# KiCad board Latest-Full-Backplane.kicad_pcb (continued)
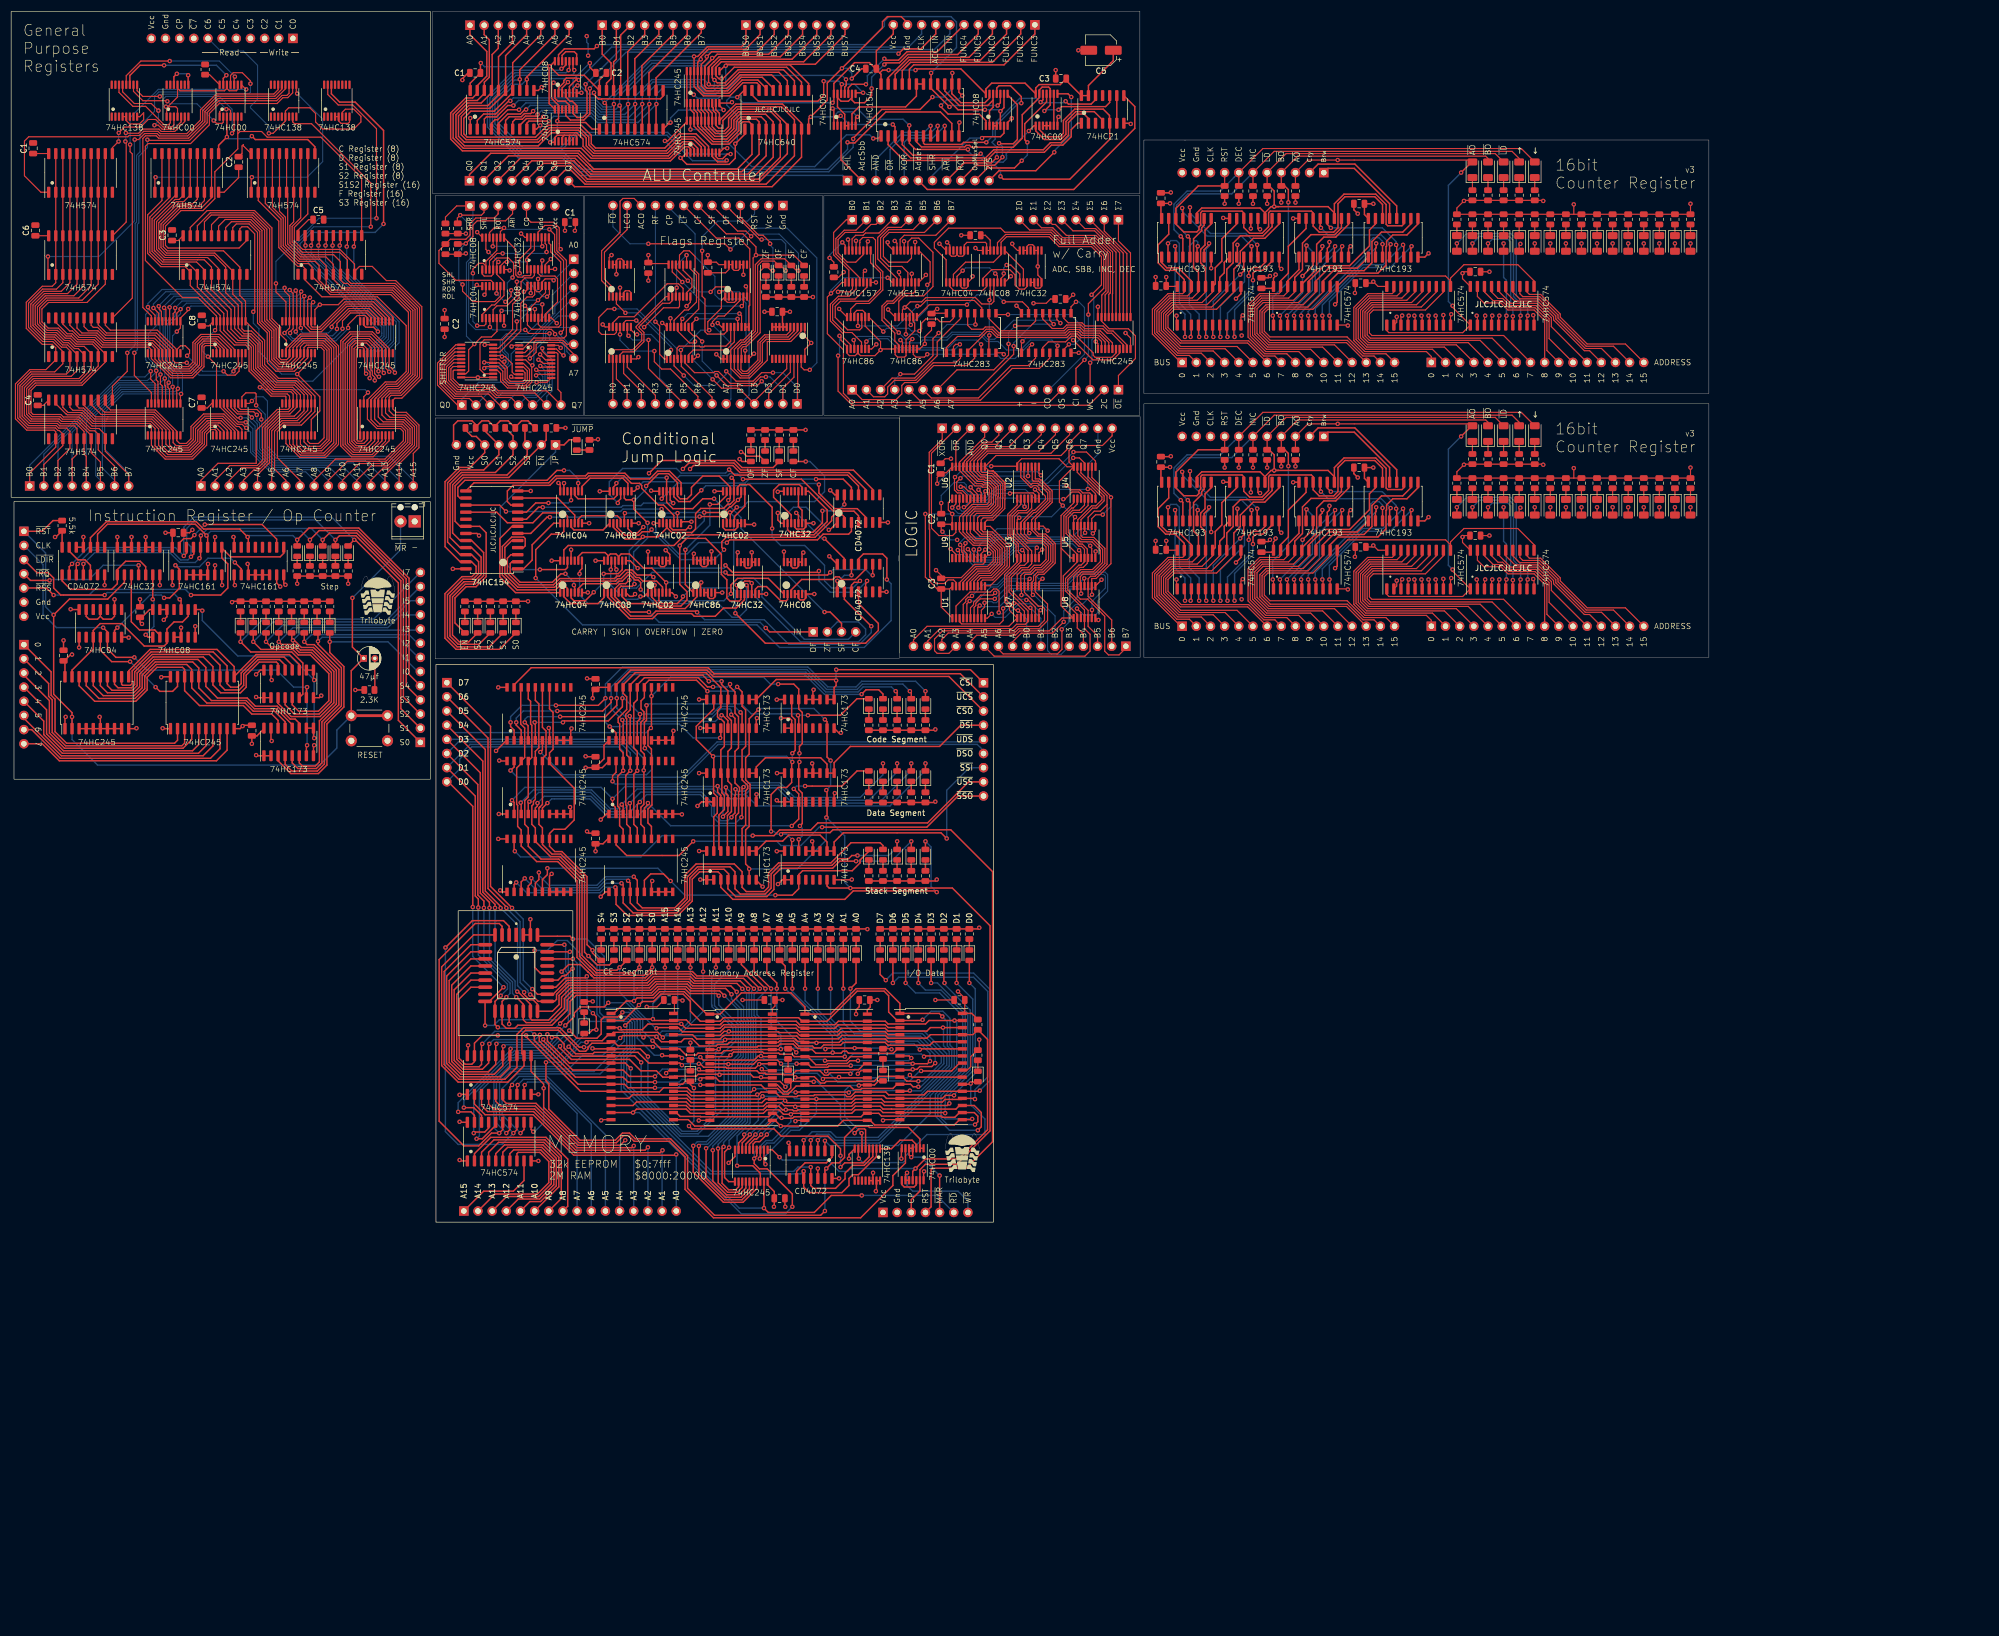
[diagram p0: board, top side]
## Routing (per net, layer and track width the routed paths; a pad name or vN(x,y) marks a point on that pad's centre or on a via; arc(x,y) is an arc through that point) (continued)
  Bottom w0.2: v1(52.02,166.87) 52.02,166.76 51.31,166.04 29.21,166.04 27.43,164.26 v1(27.43,163.96) 27.43,161.63 27.25,161.46 27.25,153.1 27.56,152.79 v1(27.56,151.3) 26.37,150.11 19.4,150.11 10.94,141.64 J1#4.4 ; v1(51.97,160.34) 52.07,160.24 52.07,159.69 52.32,159.44 56.9,159.44 57.5,160.04 v1(57.5,160.52) ; v1(122.68,157.91) 122.28,157.51 122.28,154.67 v1(125.83,151.13)
  Bottom w0.25: v1(129.21,40.86) 129.21,39.97 130.93,38.25 130.93,36.22 131.32,35.83 131.32,29.66 130.3,28.64 130.3,18.72 124.83,13.25 v1(124.65,13.25) ; J2#8.5 110.03,86.58 113.47,83.14 v1(113.47,81.01) ; v1(92.37,199.51) 93.11,200.25 104.62,200.25 105.79,199.08 109.26,199.08 v1(110.66,200.48) 110.66,202.77 115.24,207.34 124.34,207.34 v1(125.75,208.74) ; v1(130.23,95.98) 129.46,95.21 v1(124.89,95.21) ; v1(90.6,40.35) 89.94,41.01 89.94,43.05 85.8,47.19 v1(85.8,56.35)
BUS4: length 680.2
  Top w0.2: 28.42,161.55 v1(28.42,164.04) ; U16.14 66.51,162.27 64.55,164.22 60.21,164.22 55.64,159.65 53.63,159.65 52.54,160.75 52.54,166 v1(52.58,166.04) ; U1#11.15 215.52,166.8 213.62,164.9 208.17,164.9 206.32,163.04 206.32,159.91 209.61,156.62 217.76,156.62 J2#7.5 ; v1(28.26,150.55) 28.12,150.41 28.12,149.66 28.41,149.37 28.41,146.8 ; J1#4.5 13.48,137.32 13.08,137.72 U7#7.6 13.08,141.78 11.68,143.18 8.87,143.18 8.42,143.63 3.45,143.63 2.37,144.71 2.37,149.64 4,151.27 12.15,151.27 13.08,152.2 U6#2.6 ; 13.08,155.61 12.05,156.64 11.34,156.64 10.29,157.7 9.38,157.7 7.97,159.11 6.14,159.11 4.32,160.94 4.32,164.29 6.14,166.11 11.25,166.11 13.08,167.94 U5#2.6 U4#2.15 ; J2#2.5 217.76,109.31 209.61,109.31 206.32,112.61 206.32,115.74 208.17,117.59 213.62,117.59 215.52,119.49 U1#4.15
  Top w0.25: v1(141.41,84.07) 141.41,85.31 141.91,85.81 141.91,91.4 141.27,92.04 141.27,95.59 140.39,96.48 v1(137.59,96.48) ; v1(125.85,12.89) 125.86,12.88 125.86,7.37 128.33,4.9 130.6,4.9 131.79,6.1 U8#6.14 ; U21#2.14 141.27,68.63 ; J2#8.4 84.61,82.67 84.61,59.17 86.8,56.98 v1(86.8,56.35) ; v1(141.48,71.04) 141.91,71.47 141.91,76.92 141.27,77.56 141.27,82.38 v1(141.4,82.51) ; U3#8.15 219.84,178.99 217.17,176.33 217.17,172.32 215.99,171.14 215.99,168.26 U1#11.15 ; J1#2.5 5.84,89.84 5.84,87.43 9.19,84.08 33.61,84.08 34.92,85.4 U7#9.6 ; v1(90.78,41.33) 90.89,41.33 93.14,39.08 U11.19 93.14,36.54 93.45,36.23 96.39,36.23 98.73,38.57 98.73,40.35 100.39,42.01 112.29,42.01 114.49,42.01 115.62,43.14 121.47,43.14 122.25,42.36 129.09,42.36 v1(130.15,41.3) ; v1(111.93,200.48) 111.93,196.07 U4#5.6 ; 141.97,214.64 141.97,212.96 137.98,208.98 127,208.98 126.05,208.02 126.02,208.02 125.1,207.1 U5#10.14 125.1,204.08 v1(125.14,204.04) 125.36,203.82 128.23,203.82 130.59,206.19 137.73,206.19 139.24,204.68 U6.14 ; U3#4.15 219.84,131.69 217.17,129.02 217.17,125.02 215.99,123.84 215.99,120.95 U1#4.15 ; U19.14 114.86,88.71 v1(114.75,88.61) 114.23,88.09 114.23,85.46 114.86,84.83 U15#2.14 114.95,82.6 114.95,74.8 114.22,74.08 114.22,71.59 114.86,70.96 U23.14 ; v1(93.64,199.22) 93.2,198.78 92.07,198.78 91.5,198.22 89.35,198.22 88.69,197.56 U2#9.6
  Bottom w0.2: J1#4.5 13.48,143.62 19.57,149.71 27.42,149.71 v1(28.26,150.55) 28.26,152.66 27.65,153.26 27.65,161.29 28.42,162.07 v1(28.42,164.04) 28.42,164.24 29.76,165.57 52.11,165.57 v1(52.58,166.04)
  Bottom w0.25: v1(93.64,199.22) 94.21,199.8 104.43,199.8 105.61,198.63 110.08,198.63 v1(111.93,200.48) 111.93,201.88 114.93,204.88 124.3,204.88 v1(125.14,204.04) ; v1(130.15,41.3) 130.15,39.86 131.38,38.64 131.38,36.4 131.77,36.01 131.77,29.47 130.75,28.45 130.75,18.53 125.85,13.64 v1(125.85,12.89) ; v1(114.86,94.32) 118.27,97.73 134.94,97.73 136.19,96.48 v1(137.59,96.48) ; v1(90.78,41.33) 90.39,41.73 90.39,43.24 86.8,46.83 v1(86.8,56.35) ; v1(141.4,82.51) 141.4,84.07 v1(141.41,84.07) ; v1(114.75,88.61) 113.93,87.79 79.48,87.79 J2#8.4 ; v1(141.48,71.04) 141.91,70.62 141.91,69.27 v1(141.28,68.64)
BUS5: length 548.4
  Top w0.2: U16.13 67.16,162.19 64.72,164.62 60.05,164.62 55.52,160.1 53.85,160.1 53.19,160.76 53.19,165.38 v1(53.59,165.79) ; v1(29.42,163.93) 29.42,163.26 29.06,162.9 U8#2.13 ; U6#2.7 14.35,152.9 12.32,150.87 4.16,150.87 2.77,149.48 2.77,144.87 3.62,144.03 8.59,144.03 9.04,143.58 11.85,143.58 14.35,141.08 ; J1#4.6 16.02,136.31 14.35,137.97 U7#7.7 ; U4#2.14 U5#2.7 14.35,167.94 12.12,165.71 6.31,165.71 4.72,164.12 4.72,161.1 6.31,159.51 8.14,159.51 9.55,158.1 10.45,158.1 11.51,157.04 13.09,157.04 14.35,155.78 ; J2#7.6 219.9,157.02 209.78,157.02 206.72,160.08 206.72,162.88 208.34,164.5 214.49,164.5 216.79,166.8 U1#11.14 ; v1(28.97,149.79) 29.02,149.74 29.02,146.84 ; J2#2.6 219.9,109.71 209.78,109.71 206.72,112.77 206.72,115.57 208.34,117.19 214.49,117.19 216.79,119.49 U1#4.14
  Top w0.25: U7#9.7 36.2,85.39 34.43,83.63 9.01,83.63 2.29,90.35 J1#2.6 ; 144.5,214.64 144.5,212.96 140.07,208.53 127.19,208.53 125.75,207.09 U5#10.13 125.75,205.21 v1(126.16,204.8) 126.67,204.29 128.06,204.29 130.41,206.64 138.55,206.64 140.51,204.68 U6.13 ; U1#11.14 216.79,169.4 217.61,170.22 217.61,172.09 218.57,173.05 ; U8#6.13 131.14,6.21 130.28,5.35 128.52,5.35 126.84,7.03 126.84,13.17 v1(126.8,13.2) ; v1(87.8,56.34) 87.8,56.62 85.06,59.36 85.06,84.76 J2#8.3 ; v1(94.43,198.61) 94.15,198.34 92.26,198.34 91.69,197.77 90.42,197.77 89.96,197.31 U2#9.7 ; U1#4.14 216.79,122.1 217.61,122.92 217.61,124.79 218.57,125.75 ; U4#5.7 113.2,196.07 v1(113.2,200.48) ; v1(131.16,41.83) 130.18,42.81 122.43,42.81 121.66,43.59 115.43,43.59 114.31,42.46 100.08,42.46 98.28,40.66 98.28,39.01 97.09,37.82 U11.20 94.41,39.08 93.63,39.86 92.99,39.86 92.02,40.83 v1(92.02,41.22)
  Bottom w0.2: v1(53.59,165.79) 52.98,165.17 30.65,165.17 v1(29.42,163.93) 29.42,162.49 28.05,161.13 28.05,153.43 28.96,152.52 28.96,149.8 v1(28.97,149.79) 28.49,149.31 19.74,149.31 15.17,144.74 15.17,133.87 16.02,133.02 J1#4.6
  Bottom w0.25: v1(131.16,41.83) 131.93,41.07 131.93,36.49 132.22,36.2 132.22,29.29 131.2,28.27 131.2,18.35 126.8,13.95 v1(126.8,13.2) ; v1(94.43,198.61) 95.17,199.35 104.25,199.35 105.42,198.18 110.9,198.18 v1(113.2,200.48) 113.2,202.52 115.12,204.43 123.48,204.43 124.63,203.28 125.65,203.28 126.16,203.79 v1(126.16,204.8) ; v1(92.02,41.22) 90.84,42.41 90.84,53.3 v1(87.8,56.34)
BUS6: length 582
  Top w0.2: U7#7.8 15.62,138.48 18.56,135.55 J1#4.7 ; 67.81,161.54 67.81,162.24 65.02,165.02 59.88,165.02 55.36,160.5 54.01,160.5 53.84,160.67 53.84,164.63 v1(54.17,164.96) ; U1#4.13 218.06,119.49 215.36,116.79 208.51,116.79 207.12,115.41 207.12,112.94 209.73,110.33 221.81,110.33 225.29,106.86 J2#2.7 ; J2#7.7 225.29,154.16 221.81,157.63 209.73,157.63 207.12,160.24 207.12,162.71 208.51,164.1 215.36,164.1 218.06,166.8 U1#11.13 ; v1(29.91,149.46) 29.71,149.25 U10#5.12 ; U4#2.13 U5#2.8 15.62,168.2 12.73,165.31 6.47,165.31 5.12,163.96 5.12,161.27 6.47,159.91 8.3,159.91 9.72,158.5 10.62,158.5 11.68,157.44 14.57,157.44 15.62,156.38 U6#2.8 15.62,153.52 12.57,150.47 4.33,150.47 3.17,149.31 3.17,145.04 3.78,144.43 8.76,144.43 9.2,143.98 12.01,143.98 14.08,141.91 14.99,141.91 15.62,141.28 ; U8#2.12 29.71,162.98 30.39,163.67 v1(30.39,163.72)
  Top w0.25: U6.12 141.78,204.42 139.11,207.09 129.71,207.09 127.68,205.06 126.93,205.06 126.4,205.58 U5#10.12 126.4,207.08 127.4,208.08 130.74,208.08 142.16,208.08 147.04,212.96 J4#2.7 ; v1(114.47,200.48) 114.41,200.42 U4#5.8 ; v1(127.79,13.5) 127.53,13.23 127.53,6.98 128.7,5.8 129.97,5.8 130.49,6.32 U8#6.12 ; J1#2.7 3.68,88.32 8.82,83.18 35.76,83.18 37.46,84.89 U7#9.8 ; J2#8.2 85.54,86.81 85.54,59.83 88.82,56.55 v1(88.82,56.35) ; v1(93.11,40.81) 93.32,40.81 94.54,39.59 U11.21 97.46,39.59 97.83,39.96 97.83,40.85 99.89,42.91 114.12,42.91 115.25,44.04 121.84,44.04 122.62,43.26 130.78,43.26 v1(132.2,41.83) ; 226.19,132.67 226.19,131.18 224.56,129.56 220.51,129.56 219.2,128.25 219.2,124.72 218.06,123.58 U1#4.13 ; v1(95.42,198.2) 95.11,197.89 92.44,197.89 91.23,196.67 U2#9.8 ; U1#11.13 218.06,170.88 219.2,172.03 219.2,175.55 220.51,176.86 224.56,176.86 226.19,178.49 226.19,179.98
  Bottom w0.2: v1(54.17,164.96) 53.98,164.77 31.45,164.77 v1(30.39,163.72) 30.39,162.91 28.45,160.96 28.45,153.59 29.91,152.13 v1(29.91,149.46) 29.37,148.91 19.9,148.91 16.36,145.38 16.36,135.21 18.56,133.02 J1#4.7
  Bottom w0.25: v1(95.42,198.2) 96.13,198.9 104.06,198.9 105.27,197.69 111.68,197.69 v1(114.47,200.48) 114.47,202.77 115.69,203.98 123.17,203.98 124.38,202.77 125.9,202.77 127.43,204.29 v1(127.43,205.06) ; v1(127.79,13.5) 127.79,14.3 131.65,18.16 131.65,28.08 132.67,29.1 132.67,36.39 132.37,36.68 132.37,41.66 v1(132.2,41.83) ; v1(93.11,40.81) 92.75,41.18 92.75,41.52 91.29,42.98 91.29,53.88 v1(88.82,56.35)
BUS7: length 582.2
  Top w0.2: 54.49,161.54 54.49,163.63 v1(55.37,164.52) 58.67,164.52 59.69,165.53 65.28,165.53 68.46,162.35 U16.11 ; v1(30.48,148.51) 30.36,148.39 U10#5.11 ; v1(31.75,163.75) 31.75,163.5 30.36,162.11 ; J1#4.8 21.1,134.02 16.89,138.23 U7#7.9 ; J2#2.8 226.69,108.01 224.7,108.01 221.98,110.73 209.89,110.73 207.52,113.1 207.52,115.24 208.67,116.39 216.23,116.39 219.33,119.49 U1#4.12 ; J2#7.8 226.69,155.31 224.7,155.31 221.98,158.03 209.89,158.03 207.52,160.41 207.52,162.54 208.67,163.7 216.23,163.7 219.33,166.8 U1#11.12 ; U6#2.9 16.89,154.23 12.73,150.07 4.49,150.07 3.57,149.15 3.57,145.2 3.95,144.82 8.92,144.82 9.37,144.38 12.18,144.38 14.25,142.31 15.79,142.31 16.89,141.2 ; U4#2.12 U5#2.9 16.89,168.2 13.6,164.91 6.69,164.91 5.51,163.74 5.51,161.43 6.64,160.31 8.47,160.31 9.88,158.9 10.78,158.9 11.84,157.84 14.73,157.84 16.89,155.68 ; U8#2.11 30.36,160.33 v1(29.72,159.69)
  Top w0.25: U6.11 143.05,204.17 139.68,207.54 128.19,207.54 ; U3#4.9 227.46,131.69 224.88,129.11 222.81,129.11 220.48,126.78 220.48,124.73 219.33,123.58 U1#4.12 ; U3#8.9 227.46,178.99 224.88,176.41 222.81,176.41 220.48,174.09 220.48,172.04 219.33,170.88 U1#11.12 ; J1#2.8 5.59,85.78 8.64,82.73 36.83,82.73 38.73,84.63 U7#9.9 ; v1(115.74,200.48) 115.68,200.42 U4#5.9 ; U2#9.9 92.5,197.06 92.88,197.44 v1(96.44,197.44) ; v1(93.48,41.79) 94.41,40.86 U11.22 97.21,40.86 99.71,43.36 104.35,43.36 113.93,43.36 115.06,44.49 122.03,44.49 122.81,43.71 131.38,43.71 v1(133.24,41.85) ; v1(89.84,56.35) 85.99,60.2 85.99,88.9 J2#8.1 ; U8#6.11 128.72,7.26 127.98,8 127.98,12.58 v1(128.79,13.39) ; J4#2.8 149.58,212.96 144.25,207.63 128.28,207.63 U5#10.11
  Bottom w0.2: v1(55.37,164.52) 55.12,164.26 32.26,164.26 v1(31.75,163.75) ; v1(29.72,159.69) 28.96,158.93 28.96,153.85 30.73,152.07 30.73,149.02 30.48,148.77 v1(30.48,148.51) 20.07,148.51 16.76,145.21 16.76,138.61 21.1,134.28 J1#4.8
  Bottom w0.25: v1(133.24,41.85) 132.82,41.43 132.82,36.87 133.12,36.57 133.12,28.91 132.1,27.9 132.1,17.97 128.79,14.66 v1(128.79,13.39) ; v1(89.84,56.35) 91.87,54.32 91.87,43.4 v1(93.48,41.79) ; v1(96.44,197.44) 97.3,198.3 104.03,198.3 105.14,197.18 112.44,197.18 v1(115.74,200.48) 115.74,202.26 117.01,203.53 122.86,203.53 124.13,202.26 126.41,202.26 128.19,204.04 v1(128.19,207.35)
BUS8: length 76
  Top w0.2: J2#7.9 228.83,155.71 224.87,155.71 221.88,158.7 221.88,164.44 223.94,166.5 227.41,166.5 227.71,166.8 U4#9.19 227.71,168.77 ; J2#2.9 228.83,108.41 224.87,108.41 221.88,111.39 221.88,117.13 223.94,119.19 227.41,119.19 227.71,119.49 U4#8.19 227.71,121.47
  Top w0.25: U5.15 232.28,130.86 229.11,127.69 229.11,122.87 227.71,121.47 ; 227.71,168.77 229.11,170.17 229.11,174.99 232.28,178.17 U5#5.15
BUS9: length 65.7
  Top w0.2: 228.98,120.48 228.98,119.49 228.28,118.79 224.11,118.79 222.28,116.97 222.28,111.56 225.03,108.81 230.97,108.81 J2#2.10 ; J2#7.10 230.97,156.11 225.03,156.11 222.28,158.86 222.28,164.27 224.11,166.1 228.28,166.1 228.98,166.8 228.98,167.78
  Top w0.25: U5.1 231.01,123.5 228.98,121.47 228.98,120.48 ; U5#5.1 231.01,170.8 228.98,168.77 228.98,167.78
BUS10: length 95.4
  Top w0.2: U4#9.17 230.25,166.8 229.15,165.7 224.27,165.7 222.68,164.11 222.68,159.03 225.2,156.51 233.11,156.51 J2#7.11 ; U4#8.17 230.25,119.49 229.15,118.39 224.27,118.39 222.68,116.8 222.68,111.73 225.2,109.21 233.11,109.21 J2#2.11
  Top w0.25: U4#8.17 230.25,122.1 231.64,123.49 231.64,128.24 233.17,129.78 237.42,129.78 238.63,130.99 U5.10 ; U5#5.10 238.63,178.29 237.42,177.08 233.17,177.08 231.64,175.55 231.64,170.79 230.25,169.41 U4#9.17
BUS11: length 98.5
  Top w0.2: J2#7.12 235.25,156.91 225.37,156.91 223.08,159.2 223.08,163.94 224.44,165.3 230.02,165.3 231.52,166.8 U4#9.16 ; U4#8.16 231.52,119.49 230.02,117.99 224.44,117.99 223.08,116.64 223.08,111.89 225.37,109.61 235.25,109.61 J2#2.12
  Top w0.25: U4#9.16 231.52,168.2 234.18,170.86 234.18,175.34 235.47,176.63 237.61,176.63 239.9,178.92 U5#5.9 ; U4#8.16 231.52,120.9 234.18,123.56 234.18,128.03 235.47,129.33 237.61,129.33 239.9,131.62 U5.9
BUS12: length 110
  Top w0.2: J2#7.13 237.39,157.31 225.53,157.31 223.48,159.36 223.48,163.78 224.6,164.9 230.89,164.9 232.79,166.8 U4#9.15 ; U4#8.15 232.79,119.49 230.89,117.59 224.6,117.59 223.48,116.47 223.48,112.06 225.53,110.01 237.39,110.01 J2#2.13
  Top w0.25: U4#8.15 232.79,121.47 235.53,124.21 240.11,124.21 243.65,127.75 243.65,130.61 244.73,131.69 U7#3.15 ; U7#6.15 244.73,178.99 243.65,177.91 243.65,175.06 240.11,171.51 235.53,171.51 232.79,168.77 U4#9.15
BUS13: length 99.7
  Top w0.2: U4#8.14 234.06,119.49 231.76,117.19 225.1,117.19 223.99,116.08 223.99,112.11 225.7,110.41 239.53,110.41 J2#2.14 ; U4#9.14 234.06,166.8 231.76,164.5 225.1,164.5 223.99,163.38 223.99,159.42 225.7,157.71 239.53,157.71 J2#7.14
  Top w0.25: U7#3.1 241.47,123.76 236.35,123.76 234.06,121.47 U4#8.14 ; U4#9.14 234.06,168.77 236.35,171.06 241.47,171.06 U7#6.1
BUS14: length 129.4
  Top w0.2: U4#9.13 235.33,166.8 232.63,164.1 225.27,164.1 224.39,163.22 224.39,159.58 225.86,158.11 239.69,158.11 242.49,155.31 244.47,155.31 J2#7.15 ; J2#2.15 244.47,108.01 242.49,108.01 239.69,110.81 225.86,110.81 224.39,112.28 224.39,115.91 225.27,116.79 232.63,116.79 235.33,119.49 U4#8.13
  Top w0.25: 251.08,179.98 251.08,178.99 249.62,177.53 245.81,177.53 244.1,175.82 244.1,172.04 242.68,170.61 237.17,170.61 235.33,168.77 U4#9.13 ; 251.08,132.67 251.08,131.69 249.62,130.23 245.81,130.23 244.1,128.51 244.1,124.73 242.68,123.31 237.17,123.31 235.33,121.47 U4#8.13
BUS15: length 135.5
  Top w0.2: 236.6,167.78 236.6,166.8 233.5,163.7 225.43,163.7 224.79,163.05 224.79,159.75 225.81,158.73 239.64,158.73 242.66,155.71 246.61,155.71 J2#7.16 ; 236.6,120.48 236.6,119.49 233.5,116.39 225.43,116.39 224.79,115.75 224.79,112.45 225.81,111.43 239.64,111.43 242.66,108.41 246.61,108.41 J2#2.16
  Top w0.25: U7#6.9 252.35,178.99 250.38,177.02 247.85,177.02 246.72,175.9 246.72,175.02 246.62,174.92 246.62,171.61 245.18,170.16 237.99,170.16 236.6,168.77 236.6,167.78 ; U7#3.9 252.35,131.69 250.38,129.72 247.85,129.72 246.72,128.6 246.72,127.72 246.62,127.62 246.62,124.31 245.18,122.86 237.99,122.86 236.6,121.47 236.6,120.48
CARRY_FLAG: length 102.3
  Top w0.25: v1(117.58,133.49) 117.57,133.49 U2#8.12 117.57,129.1 118.73,127.94 122.29,127.94 124.06,129.72 v1(126.1,129.72) ; v1(130.16,128.19) 129.23,127.26 v1(128.93,127.26) 129,127.18 U5#4.3 ; U3#10.13 108.03,131.79 108.5,132.26 108.5,132.44 v1(108.57,132.51) ; U7#4.1 130.24,114.14 v1(130.16,114.22) ; D2#5.2 v1(142.53,136.4)
  Bottom w0.25: v1(126.1,129.72) 128.56,127.26 v1(128.93,127.26) 129.62,126.57 129.62,114.77 v1(130.16,114.22) 131.43,115.49 133.21,115.49 134.67,114.03 134.67,112.12 142.28,104.51 150.17,104.51 J4#5.4 ; v1(117.58,133.49) 109.55,133.49 v1(108.57,132.51) ; v1(142.53,136.4) 143.29,136.4 145.91,133.78 145.91,130.99 144.13,129.21 132.19,129.21 131.18,128.19 v1(130.16,128.19)
CARRY_FLAG_IN: length 48.7
  Top w0.2: U33.10 176.93,175.64 178.4,177.11 186.35,177.11 188.13,175.33 193.96,175.33 195.98,173.31 195.98,167.44 193.23,164.69 v1(193.23,162.74) ; v1(192.53,154.61) 191.01,153.09 J4#4.4
  Bottom w0.2: v1(192.53,154.61) 193.23,155.31 v1(193.23,162.74)
CARRY_OUT: length 17.4
  Top w0.2: v1(98.58,174.47) 98.33,174.73 98.33,178.28 97.31,179.3 93.25,179.3 92.44,180.1 J3#4.5 ; v1(96.8,172.69) 95.81,171.7 U4#7.6
  Bottom w0.2: v1(98.58,174.47) v1(96.8,172.69)
CF: length 66.4
  Top w0.2: v1(133.6,173.41) 133.1,172.9 133.1,159.92 131.36,158.19 130.84,158.19 129.07,156.42 129.07,153.08 130.78,151.37 132.45,151.37 135.64,154.56 135.64,157.91 139.85,157.91 141.72,159.78 U2.2 ; v1(133.6,173.41) 140.38,173.41 D1#5.2 ; v1(133.6,173.41) 133.6,174.88 131.27,177.22 128.27,177.22 J1#6.7
CLEAR: length 147.8
  Top w0.2: J4#6.8 R18#3.2 ; J4#3.8 R18.2
  Top w0.25: R18#3.2 212.95,138.5 208.91,134.47 U2#6.14 208.91,131.69 210.34,130.26 212.69,130.26 213.07,130.64 213.07,131.15 213.37,131.45 213.37,133.71 213.65,133.99 220.78,133.99 221.11,133.66 U3#4.14 221.11,131.06 222.16,130.01 224.38,130.01 225.56,131.19 225.56,133.71 225.84,133.99 233.23,133.99 233.55,133.66 U5.14 233.55,131.31 234.64,130.23 237.24,130.23 238.01,131 238.01,135.32 239.27,136.58 244.6,136.58 246,135.18 U7#3.14 ; R18.2 212.95,185.81 208.91,181.78 U2#5.14 208.91,178.99 210.34,177.57 212.69,177.57 213.07,177.94 213.07,178.45 213.37,178.75 213.37,181.01 213.65,181.29 220.78,181.29 221.11,180.96 U3#8.14 221.11,178.36 222.16,177.31 224.38,177.31 225.56,178.5 225.56,181.01 225.84,181.29 233.23,181.29 233.55,180.96 U5#5.14 233.55,178.62 234.64,177.53 237.24,177.53 238.01,178.3 238.01,182.62 239.27,183.88 244.6,183.88 246,182.48 U7#6.14
CLOCK: length 567.9
  Top w0.2: U8#8.11 273.18,168.77 270.26,171.69 260.6,171.69 258.19,169.28 U6#5.11 258.19,168.77 257.31,169.66 239.74,169.66 U4#9.11 238,167.91 ; 220.73,167.91 U1#11.11 ; 220.73,120.61 U1#4.11 ; 238,120.61 U4#8.11 239.74,122.35 257.31,122.35 258.19,121.47 U6#4.11 258.19,121.97 260.6,124.38 270.26,124.38 273.18,121.47 U8#5.11 ; U1#6.7 v1(131.67,156.29)
  Top w0.25: U1#4.11 220.6,119.18 v1(219.71,118.29) ; U20.7 v1(132.38,63.34) 132.38,63.59 131.75,64.22 131.75,70.32 132.38,70.96 U12#3.7 132.55,75.53 132.55,78.5 131.75,79.3 131.75,83.27 132.38,83.91 U16#2.7 132.38,90.26 v1(134.04,91.91) ; v1(237.49,117.27) 237.87,117.65 U4#8.11 ; U9#2.7 52.96,95.81 v1(53.09,95.94) ; U1#2.5 100.14,203.64 101.31,204.8 v1(101.8,204.8) 101.45,205.15 99.57,205.15 99.15,204.73 99.15,204.34 98.19,203.38 U1#2.2 ; J1.3 161.47,4.03 163.02,5.58 U1#10.13 163.02,9.39 164.01,10.38 169.6,10.38 175.6,16.38 175.6,53.14 168.83,59.91 146.74,59.91 146.35,60.29 U21#2.7 ; v1(145.97,90.13) 146.35,89.75 U17.7 146.35,83.4 v1(146.99,82.77) ; U8.7 52.96,85.39 v1(53.09,85.52) ; v1(22.1,101.27) 18.8,101.27 17.27,102.79 U1#7.5 17.27,105.84 v1(16.51,106.6) ; U4#9.11 237.87,164.96 v1(237.49,164.58) ; U1#11.11 220.6,166.48 v1(219.71,165.59) ; v1(146.24,72.57) 146.35,72.68 U13.7 146.35,77.34 v1(146.22,77.47)
  In1.Cu w0.25: 273.05,14.34 273.05,15.1 270,18.15 270,30.6 268.48,32.12 268.48,36.95 ; 268.48,84.25 268.48,79.43 270,77.9 270,65.46 273.05,62.41 273.05,61.65
  In2.Cu w0.25: 273.05,61.65 274.07,60.63 290.83,60.63 ; 273.05,14.34 274.07,13.33 290.83,13.33
  Bottom w0.2: v1(131.67,156.29) 131.67,156.49 131.83,156.64 131.83,164.77 131.06,165.53 127,165.53 126.24,166.29 126.24,169.6 122.68,173.15 122.68,177.22 118.11,181.79 J1#6.9
  Bottom w0.25: J5.9 163.32,213.06 160.96,210.7 107.7,210.7 v1(101.8,204.8) ; v1(16.51,106.6) 8.13,106.6 5.72,109.01 5.72,117.9 J3#7.2 ; v1(145.97,90.13) 144,92.11 134.23,92.11 v1(134.04,91.91) ; v1(150.55,59.91) 149.53,60.92 149.53,69.28 v1(146.24,72.57) 146.23,72.55 146.23,68.54 141.02,63.34 v1(132.38,63.34) ; v1(22.1,101.27) 24.38,98.98 47.62,98.98 50.67,95.94 v1(53.09,95.94) v1(53.09,85.52) ; v1(146.99,82.77) 146.99,78.24 v1(146.22,77.47)
CO: length 43.2
  Top w0.25: U7#6.12 248.54,182.23 241.05,189.72 234.44,189.72 J4#3.2 ; U7#3.12 248.54,134.93 241.05,142.42 234.44,142.42 J4#6.2
EN: length 56.7
  Top w0.25: D10.2 79.61,107.44 79.61,111.94 81.62,113.95 83.4,113.95 85.2,115.75 85.2,123.62 84.06,124.77 80.54,124.77 79.64,125.67 79.64,132.03 81.14,133.53 89.27,133.53 J3#5.2 95.97,140.24 R15#3.1
INSTRUCTION0: length 55.7
  Top w0.25: D8#5.2 57.15,102.16 59.69,99.62 59.69,92.38 56.64,89.33 56.64,81.97 55.12,80.44 50.16,80.44 47.88,82.73 U8.3
  Bottom w0.25: J2#6.6 72.94,98.73 67.6,104.06 v1(57.15,104.06)
INSTRUCTION1: length 56.3
  Top w0.25: U8.4 49.15,82.09 50.35,80.89 54.93,80.89 56.19,82.15 56.19,89.52 59.24,92.57 59.24,99.43 55.04,103.63 55.04,105.67
  Bottom w0.25: v1(55.04,104.14) 55.78,104.88 69.41,104.88 73.03,101.27 J2#6.7
INSTRUCTION2: length 57.3
  Top w0.25: U8.5 50.42,82.35 51.42,81.34 54.75,81.34 55.74,82.34 55.74,89.7 58.79,92.75 58.79,99.13 54.36,103.56 53.09,103.56 v1(52.58,104.06) D6#3.2
  Bottom w0.25: v1(52.58,104.06) 53.85,105.33 71.37,105.33 72.9,103.81 J2#6.8
INSTRUCTION3: length 58.3
  Top w0.25: 50.34,105.67 50.34,104.52 v1(50.55,104.32) 50.8,104.32 52.07,103.05 54.24,103.05 58.34,98.94 58.34,92.94 55.29,89.89 55.29,82.52 54.56,81.79 52.25,81.79 51.69,82.35 U8.6
  Bottom w0.25: v1(50.55,104.32) 52.38,106.15 73.21,106.15 J2#6.9
INSTRUCTION4: length 59.8
  Top w0.25: U9#2.3 47.88,93.01 50.23,90.66 55.43,90.66 57.89,93.12 57.89,98.76 54.05,102.6 51.88,102.6 50.89,103.59 48.48,103.59 v1(48.01,104.06) D4#3.2
  Bottom w0.25: J2#6.10 69.85,108.89 67.56,106.6 50.55,106.6 v1(48.01,104.06)
INSTRUCTION5: length 62.8
  Top w0.25: D3#5.2 v1(45.72,104.06) 46.64,103.14 50.7,103.14 51.7,102.15 53.86,102.15 57.44,98.57 57.44,93.31 55.24,91.11 50.8,91.11 49.15,92.76 U9#2.4
  Bottom w0.25: J2#6.11 71.63,111.43 67.31,107.11 48.77,107.11 v1(45.72,104.06)
INSTRUCTION6: length 65.6
  Top w0.25: U9#2.5 50.42,92.76 51.56,91.62 55.11,91.62 56.99,93.5 56.99,98.38 53.67,101.7 51.51,101.7 50.52,102.69 44.8,102.69 v1(43.43,104.06) D2#6.2
  Bottom w0.25: v1(43.43,104.06) 46.99,107.62 67.06,107.62 J2#6.12
INSTRUCTION7: length 58.2
  Top w0.25: U9#2.6 52.32,94.68 52.32,100.25 50.33,102.24 42.97,102.24 v1(41.15,104.06) D1.2
  Bottom w0.25: J2#6.13 65.02,108.13 45.21,108.13 v1(41.15,104.06)
LATCH_MAR: length 106.1
  Top w0.25: v1(93.65,16.22) 93.27,16.6 U10#3.11 ; U9#4.11 93.27,27.01 95.52,24.77 v1(95.52,24.01) 95.52,20.57 101.85,14.24 108.57,14.24 109.84,15.51 110.74,15.51 111.75,14.5 118.1,14.5 120.89,11.71 120.89,5.87 125.98,0.78 152.38,0.78 158.17,6.57 158.17,8.34 160.42,10.6 U1#10.6
  Bottom w0.25: v1(95.52,24.01) 95.52,17.83 93.9,16.22 v1(93.65,16.22)
LD_PC_COND: length 42.9
  Top w0.25: U4#4.12 99.79,117.38 99.43,117.02 v1(94.85,117.02) ; D1#2.2 100.11,140.31 99.17,139.37 J3#5.1
  Bottom w0.25: v1(94.85,117.02) 89.77,117.02 87.74,119.05 87.74,128.19 97.65,138.1 J3#5.1
LOGICAL_CARRY_OUT: length 18.6
  Top w0.2: J1#6.12 110.49,177.98 106.43,173.91 106.43,169.09 107.92,167.59 U35.2
MUX_CARRY: length 14.8
  Top w0.2: 129.07,160.52 129.07,157.95 128.21,157.09 124.42,157.09 124.29,156.96 123.62,156.96 123.49,157.09 119.81,157.09 119.44,156.72 119.44,154.92 U38.4
MUX_OVERFLOW: length 10.6
  Top w0.2: U38.9 122.16,161.2 v1(122.94,161.98) ; U1#6.12 130.37,161.26 130.3,161.33 v1(130.3,161.98)
  Bottom w0.2: v1(130.3,161.98) v1(122.94,161.98)
MUX_SIGN: length 12.6
  Top w0.2: 129.72,160.52 129.72,157.84 128.27,156.39 122.37,156.39 121.51,155.53 U38.7
MUX_ZERO: length 14.7
  Top w0.2: U1#6.11 131.02,162.54 v1(130.64,162.92) ; v1(120.4,161.98) 120.21,161.79 U38.12
  Bottom w0.2: v1(130.64,162.92) 121.34,162.92 v1(120.4,161.98)
OF: length 61.1
  Top w0.2: U2.4 140.42,159.78 139.35,158.71 135.3,158.71 134.35,157.76 134.35,154.41 132.12,152.17 131.11,152.17 130.37,152.91 U1#6.5 130.37,156.59 131.17,157.39 131.69,157.39 133.9,159.59 133.9,171.53 134.7,172.34 136.88,172.34 D3.2 138,171.55 v1(138.94,170.61) ; J1#6.5 129.12,181.45 129.12,181.39 134.31,176.2 v1(134.62,176.2)
  Bottom w0.2: v1(134.62,176.2) 138.18,176.2 138.94,175.44 v1(138.94,170.61)
OP0: length 28.1
  Top w0.2: U3#7.3 151.24,158.05 v1(151.13,158.17) ; v1(173.99,157.4) 173.99,156.01 U5#6.6
  Bottom w0.2: v1(173.99,157.4) 173.23,158.17 169.48,158.17 168.1,156.79 159.62,156.79 157.59,158.82 151.78,158.82 v1(151.13,158.17)
OP1: length 22.1
  Top w0.2: v1(170.18,157.4) 169.42,157.4 169.04,157.02 U5#6.2 ; U3#7.6 153.19,157.69 v1(153.42,157.91)
  Bottom w0.2: v1(153.42,157.91) 153.92,158.42 157.23,158.42 159.26,156.39 169.16,156.39 v1(170.18,157.4)
OP2: length 19.6
  Top w0.2: U5#6.15 169.04,162.1 168.4,161.47 166.62,161.47 166.16,161.94 164.12,161.94 164.08,161.98 163.32,161.21 163.32,160.2 v1(162.93,159.8) ; U3#7.8 v1(156.45,159.69)
  Bottom w0.2: v1(156.45,159.69) 157.04,160.28 161.03,160.28 161.51,159.8 v1(162.93,159.8)
